# Altium PCB FIT_TDC_ADC.PcbDoc (part 2 of 10) (continued)
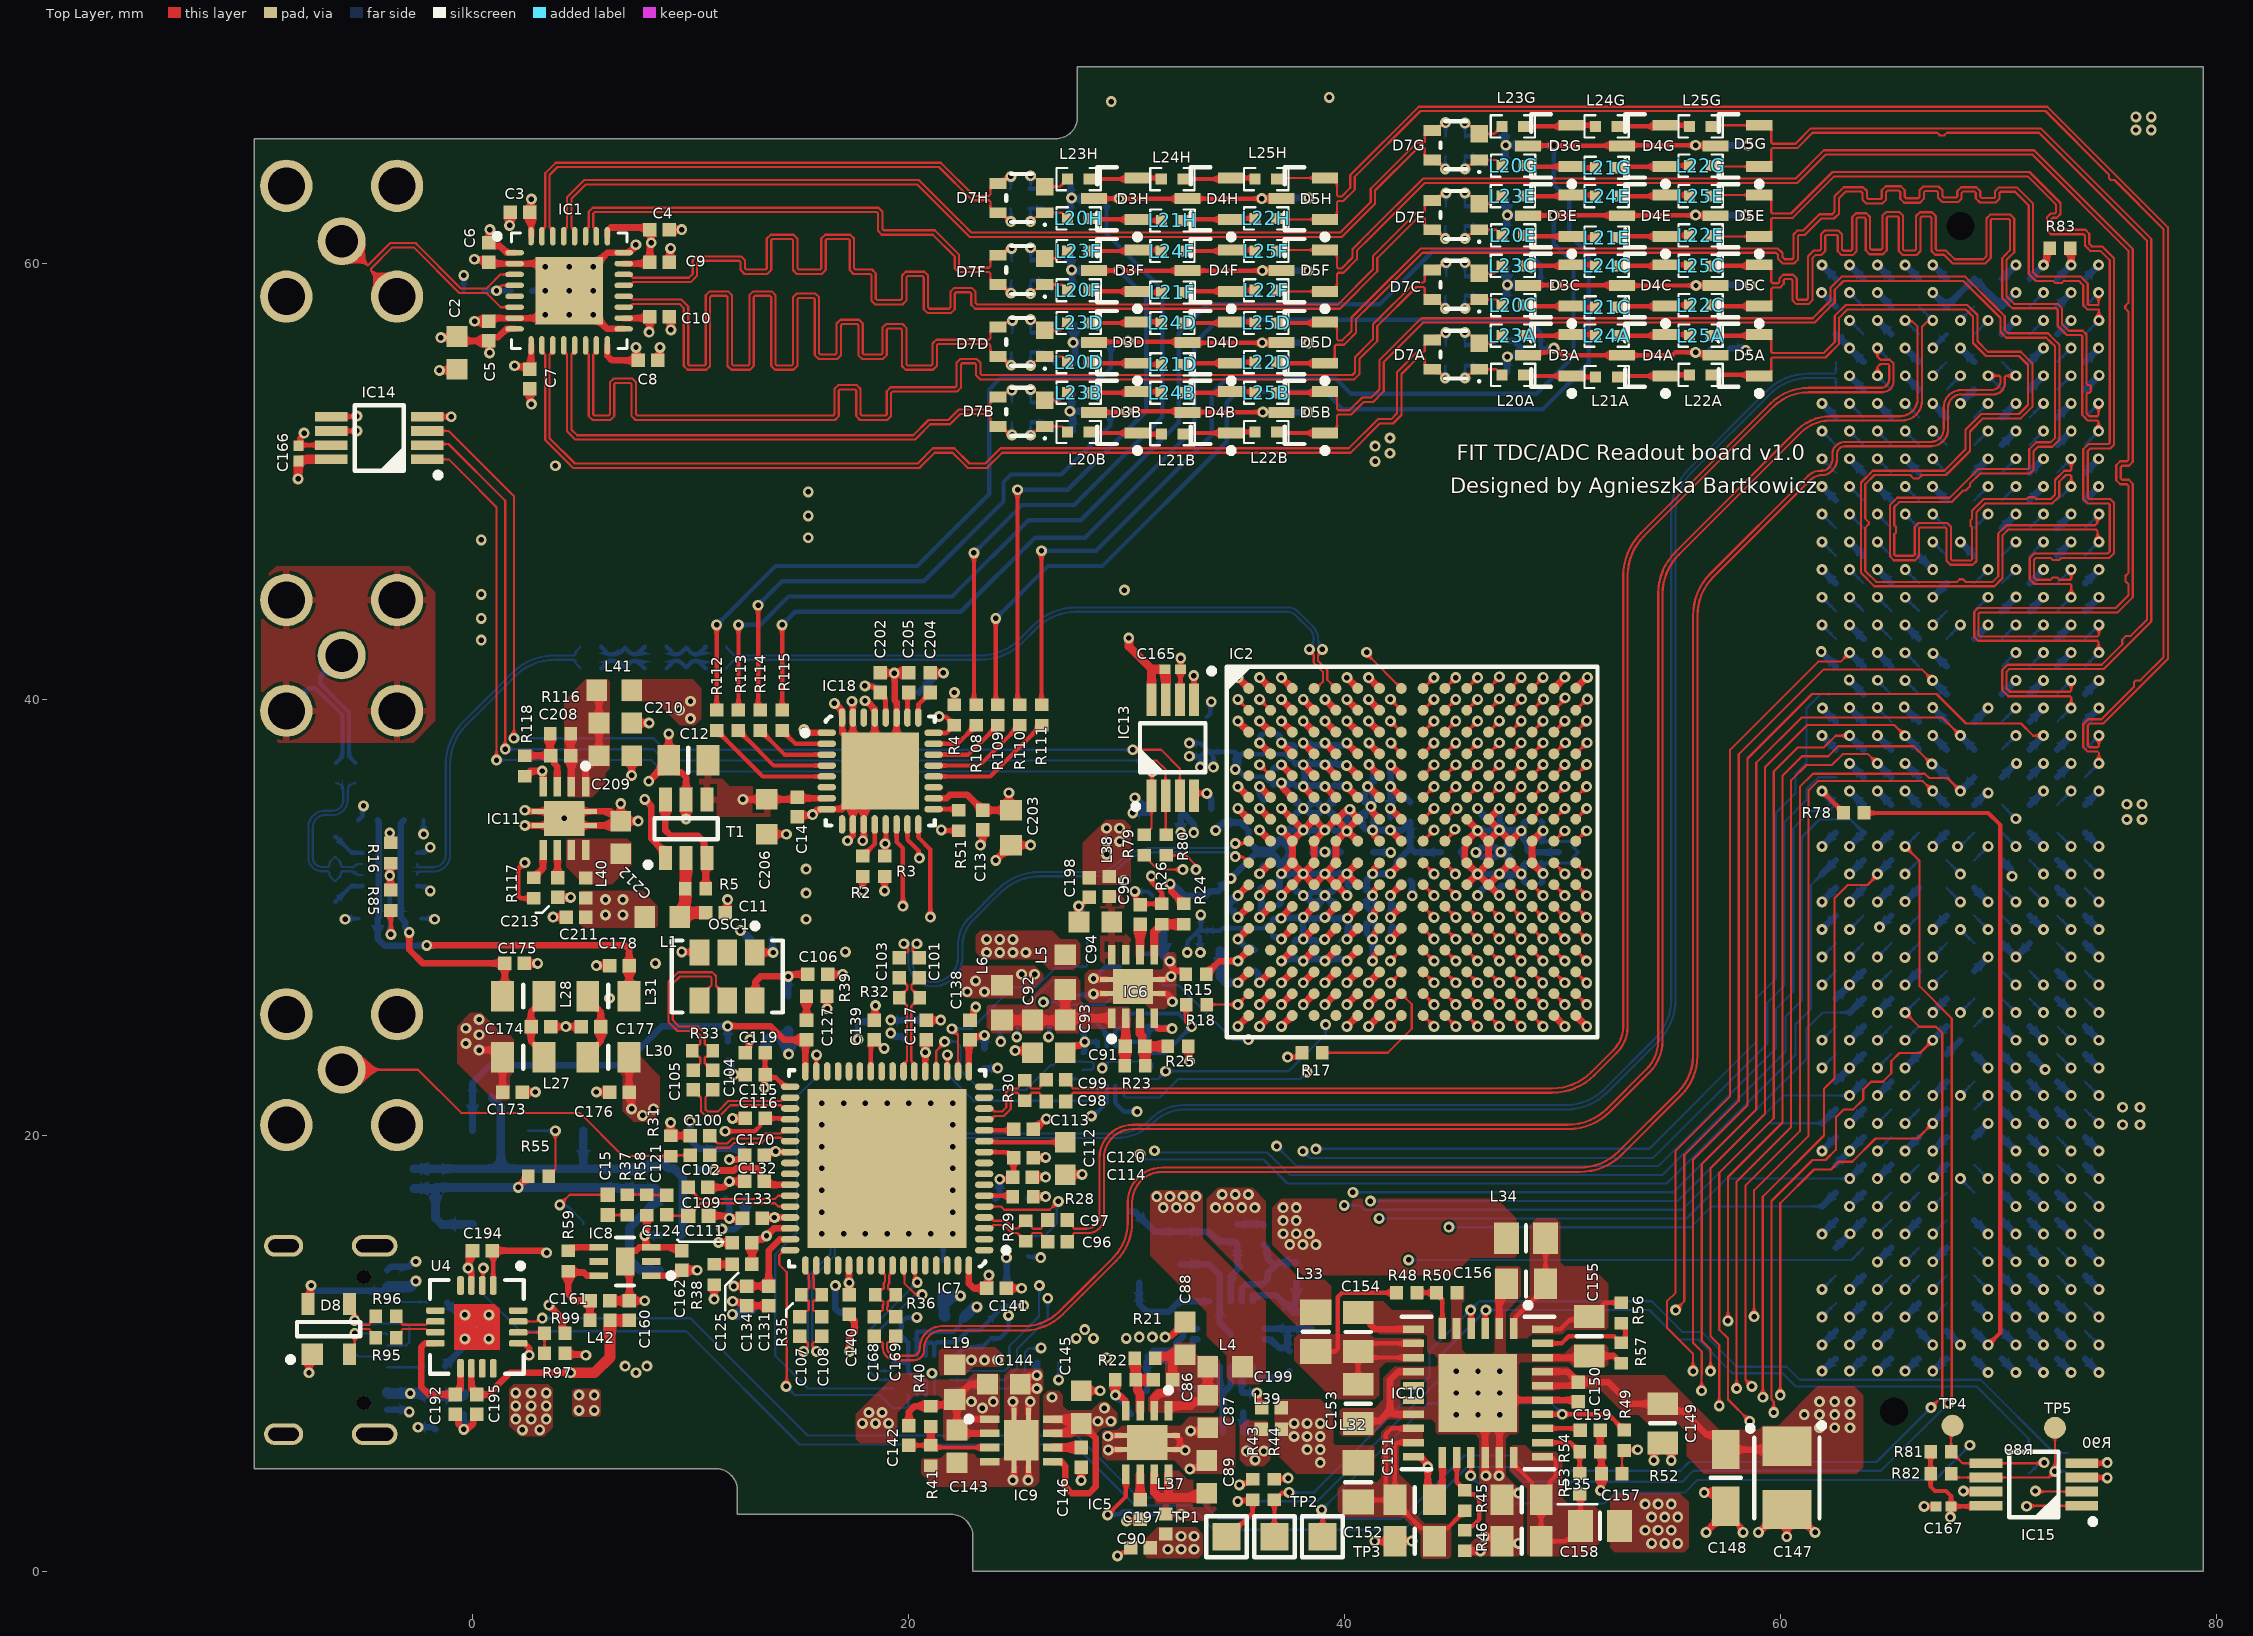
[diagram p0: Top Layer view]
## Footprints (in the part's own frame and the unit in brackets; to place one, negate y for a bottom-side part, rotate by r counter-clockwise, add the part's x,y. Pads: shape width x height; smd on the part's side, far side on the other; paste and mask are expansions set on the pad) (continued)
  rect 1.1x0.6 smd: 1(-1.35,0.95) 2(-1.35,0) 3(-1.35,-0.95) 4(1.35,-0.95) 5(1.35,0) 6(1.35,0.95)
  silkscreen extent -1.77,-1.45 0.48,1.87, body extent -1.4,-1.5 1.4,1.5, height 1.1
SOT135P210X100-4N [mm] "SOT343, 4-Leads, Body 2,00x2,10mm, Pitch 1,35mm, IPC Medium Density"
  rect 0.8x0.5 smd: 1(-1.075,0.675) 3(1.075,-0.675) 4(1.075,0.675)
  rect 0.8x0.8 smd: 2(-1.075,-0.525)
  silkscreen extent -1.12,-1.1 0.7,1.27, body extent -1.17,-1.1 1.17,1.1, height 1
SOT190P230X110-4N [mm] "SOT143, SOT, 1.90mm Pitch; 4 Pin, 1.30mm W X 2.90mm L X 1.10mm H body, IPC Medium Density"
  rect 1x1 smd: 1(-1.15,0.75)
  rect 1x0.6 smd: 2(-1.15,-0.95) 3(1.15,-0.95) 4(1.15,0.95)
  silkscreen extent -1.52,-1.45 0.33,1.87, body extent -1.25,-1.5 1.25,1.5, height 1.1
TEXAS_DRB(S-PVSON-N8) [mm] "TEXAS Case Style DRB(S-PVSON-N8), SON, 0.65mm pitch, 8 pin, 3mm X 3mm X 1.00mm H body (w/thermal tab 1.60 X 1.85mm)"
  rect 0.9x0.35 smd: 1(-1.45,0.975) 2(-1.45,0.325) 3(-1.45,-0.325) 4(-1.45,-0.975) 5(1.45,-0.975) 6(1.45,-0.325) 7(1.45,0.325) 8(1.45,0.975)
  rect 0.23x0.575 smd: 9(-0.325,-1.213) 9(-0.325,1.213) 9(0.325,-1.213) 9(0.325,1.213)
  rect 1.6x1.85 smd: 9(0,0)
  silkscreen extent -2.52,0.85 -2.28,1.1, body extent -1.5,-1.5 1.5,1.5, height 1
"TEXAS_DRC (S-PVSON-N10)" [mm] "SON, TEXAS DRC (S-PVSON-N10), 0.50mm Pitch, 10-pin, 3.00mm W  X 3.00mm L X 1.00mm Height, (w/thermal tab 1.65 X 2.40 mm)"
  rect 0.85x0.3 smd: 1(-1.5,1) 2(-1.5,0.5) 3(-1.5,0) 4(-1.5,-0.5) 5(-1.5,-1) 6(1.5,-1) 7(1.5,-0.5) 8(1.5,0) 9(1.5,0.5) 10(1.5,1)
  rect 0.28x0.7 smd: 11(-0.25,-1.55) 11(-0.25,1.55) 11(0.25,-1.55) 11(0.25,1.55)
  rect 1.65x2.4 smd: 11(0,0)
  silkscreen extent -2.52,0.88 -2.28,1.13, body extent -1.57,-1.57 1.58,1.58, height 1
TPS127 [mm] "1.27 x  1.27mm SMD Test Point Area"
  rect 1.27x1.27 smd paste-1.27: 1(0,0)
  silkscreen extent -0.94,-0.94 0.94,0.94

## Part data
C1: library part CC0402_10NF_16V_10%_X7R, "Non-polarised capacitor", Case=0402, Manufacturer=GENERIC, Manufacturer1 ComponentHeight=0.55mm, Manufacturer1 Example=PHYCOMP, Manufacturer1 Part Number=223878715636, Tolerance=±10%, Voltage=16V, Author="CERN DEM JLC", Component Type=Standard, CreateDate=03.12.2007, HelpURL=\\cern.ch\dfs\Applications\Altium\Datasheets\CC0402_X7R_PHYCOMP.pdf, LatestRevisionDate=03.12.2007, Manufacturer Part Number=CC0402_10NF_16V_10%_X7R, Mounted=Yes, Part Description="SMD Multilayer Chip Ceramic Capacitor", Part Number=CC0402_10NF_16V_10%_X7R, Pin Count=2, Sense=No, SMD=Yes, Socket=No, Status="Not Recommended", TC=X7R
C2 C22 C23 C24 C26 C27 C63 C64 C77 C78 C87 C88 C89 C92 C93 C94 C112 C118 C128 C137 C143 C144 C145 C200 C209 C210 C212: library part CC0603_10UF_16V_10%_X5R_MURATA_GRT188R61C106KE13, "Non-polarised capacitor", Case=0603, Manufacturer=MURATA, Manufacturer Part Number=GRT188R61C106KE13, Tolerance=±10%, Voltage=16V, Author="CERN DEM HF", Component Type=Standard, ComponentHeight=0.9mm, CreateDate=16.06.2022, HelpURL=\\cern.ch\dfs\Applications\Altium\Datasheets\CC0603_MURATA_GRT188R61C106KE13.pdf, LatestRevisionDate=17.06.2022, Mounted=Yes, Part Description="AEC-Q200 Compliant Chip Multilayer Ceramic Capacitor", Part Number=CC0603_10UF_16V_10%_X5R_MURATA_GRT188R61C106KE13, Pin Count=2, Sense=No, SMD=Yes, Socket=No, Status=None, TC=X5R
C3 C11 C28 C29 C60 C61 C62 C75 C76 C79 C117 C119 C129 C132 C133 C134 C138 C139 C140 C141 C159 C160 C161 C162 C170 C173 C174 C175 C176 C177 C178 C199 C211: library part CC0402_1UF_16V_10%_X5R, "Non-polarised capacitor", Case=0402, Manufacturer=GENERIC, Manufacturer1 ComponentHeight=0.55mm, Manufacturer1 Example=TDK, Manufacturer1 Part Number=C1005X5R1C105KT, Tolerance=±10%, Voltage=16V, Author="CERN DEM JLC", Component Type=Standard, CreateDate=25.10.2012, HelpURL=\\cern.ch\dfs\Applications\Altium\Datasheets\CC0402_X5R_TDK_C.pdf, LatestRevisionDate=25.10.2012, Manufacturer Part Number=CC0402_1UF_16V_10%_X5R, Mounted=Yes, Part Description="SMD Multilayer Chip Ceramic Capacitor", Part Number=CC0402_1UF_16V_10%_X5R, Pin Count=2, Sense=No, SMD=Yes, Socket=No, Status=Preferred, TC=X5R
C4 C5 C6 C7 C8 C9 C10 C13 C14 C18 C25 C86 C90 C91 C95 C96 C97 C98 C99 C100 C101 C102 C103 C104 C105 C106 C107 C108 C109 C113 C114 C115 C116 C121 C123 C126 C130 C142 C146 C168 C169 C171 C180 C181 C183 C184 C185 C186 C202 C204 C205 C208 C213: library part CC0402_100NF_16V_10%_X5R, "Non-polarised capacitor", Case=0402, Manufacturer=GENERIC, Manufacturer1 ComponentHeight=0.55mm, Manufacturer1 Example=MURATA, Manufacturer1 Part Number=GRM155R61C104KA88D, Tolerance=±10%, Voltage=16V, Author="CERN DEM JLC", Component Type=Standard, CreateDate=10.12.2013, HelpURL=\\cern.ch\dfs\Applications\Altium\Datasheets\CC0402_X5R_MURATA_GRM.pdf, LatestRevisionDate=10.12.2013, Manufacturer Part Number=CC0402_100NF_16V_10%_X5R, Mounted=Yes, Part Description="SMD Multilayer Chip Ceramic Capacitor", Part Number=CC0402_100NF_16V_10%_X5R, Pin Count=2, Sense=No, SMD=Yes, Socket=No, Status=None, TC=X5R
C12 C149 C151 C152 C153 C154 C155 C156 C157 C158: library part CC0805_22UF_16V_10%_X5R, "Non-polarised capacitor", Case=0805, Manufacturer=GENERIC, Manufacturer1 ComponentHeight=1.35mm, Manufacturer1 Example=TDK, Manufacturer1 Part Number=C2012X5R1C226KT, Tolerance=±10%, Voltage=16V, Author="CERN DEM JLC", Component Type=Standard, CreateDate=25.10.2012, HelpURL=\\cern.ch\dfs\Applications\Altium\Datasheets\CC0805_X5R_TDK_C.pdf, LatestRevisionDate=25.10.2012, Manufacturer Part Number=CC0805_22UF_16V_10%_X5R, Mounted=Yes, Part Description="SMD Multilayer Chip Ceramic Capacitor", Part Number=CC0805_22UF_16V_10%_X5R, Pin Count=2, Sense=No, SMD=Yes, Socket=No, Status=Preferred, TC=X5R
C15: library part CC0402_33PF_50V_1%_NP0_JOHANSON_R07S, "Non-polarised capacitor", Case=0402, Manufacturer="JOHANSON TECHNOLOGY", Manufacturer Part Number=500R07S330FV4T, Tolerance=±1%, Voltage=50V, Author="CERN DEM BC", Component Type=Standard, ComponentHeight=0.61mm, CreateDate=20.11.2017, HelpURL=\\cern.ch\dfs\Applications\Altium\Datasheets\CC0402_NP0_JOHANSON_R07S.pdf, LatestRevisionDate=26.09.2018, Mounted=Yes, Part Description="Ultra High-Q SMD Multilayer Capacitor", Part Number=CC0402_33PF_50V_1%_NP0_JOHANSON_R07S, Pin Count=2, Sense=No, SMD=Yes, Socket=No, Status="Not Recommended", TC=C0G/NP0
C16 C17 C179: library part CC0402_10PF_50V_5%_C0G, "Non-polarised capacitor", Case=0402, Manufacturer=GENERIC, Manufacturer1 ComponentHeight=0.55mm, Manufacturer1 Example=KEMET, Manufacturer1 Part Number=C0402C100J5GACTU, Tolerance=±5%, Voltage=50V, Author="CERN DEM JLC", Component Type=Standard, CreateDate=03.12.2007, HelpURL="\\cern.ch\dfs\Applications\Altium\Datasheets\CC0402_C0G_KEMET_(Commercial Grade).pdf", LatestRevisionDate=22.04.2015, Manufacturer Part Number=CC0402_10PF_50V_5%_C0G, Mounted=Yes, Part Description="SMD Multilayer Chip Ceramic Capacitor", Part Number=CC0402_10PF_50V_5%_C0G, Pin Count=2, Sense=No, SMD=Yes, Socket=No, Status=Preferred, TC=C0G/NP0
C19 C120 C131 C172 C182 C187 C188A C188B C188C C188D C188E C188F C188G C188H C189A C189B C189C C189D C189E C189F C189G C189H: library part CC0402_10NF_50V_10%_X7R, "Non-polarised capacitor", Case=0402, Manufacturer=GENERIC, Manufacturer1 ComponentHeight=0.55mm, Manufacturer1 Example=MURATA, Manufacturer1 Part Number=GRM155R71H103KA88D, Tolerance=±10%, Voltage=50V, Author="CERN DEM MR", Component Type=Standard, CreateDate=08.01.2016, HelpURL=\\cern.ch\dfs\Applications\Altium\Datasheets\CC0402_X7R_MURATA_GRM.pdf, LatestRevisionDate=08.01.2016, Manufacturer Part Number=CC0402_10NF_50V_10%_X7R, Mounted=Yes, Part Description="SMD Multilayer Chip Ceramic Capacitor", Part Number=CC0402_10NF_50V_10%_X7R, Pin Count=2, Sense=No, SMD=Yes, Socket=No, Status=None, TC=X7R
C20 C30 C31 C32 C33 C34 C35 C36 C37 C38 C39 C40 C41 C42 C43 C44 C45 C46 C47 C48 C49 C50 C51 C52 C53 C54 C55 C56 C57 C58 C59 C65 C66 C67 C68 C69 C70 C71 C72 C73 C74 C80 C81 C82 C83 C84 C85: library part CC0201_100NF_6.3V_10%_X7R, "Non-polarised capacitor", Case=0201, Manufacturer=GENERIC, Manufacturer1 ComponentHeight=0.33mm, Manufacturer1 Example="YAGEO PHYCOMP", Manufacturer1 Part Number=CC0201KRX7R5BB104, Tolerance=±10%, Voltage=6.3V, Author="CERN DEM BC", Component Type=Standard, CreateDate=20.11.2020, HelpURL=\\cern.ch\dfs\Applications\Altium\Datasheets\CC0201_X7R_YAGEO_6.3VTO50V.pdf, LatestRevisionDate=20.11.2020, Manufacturer Part Number=CC0201_100NF_6.3V_10%_X7R, Mounted=Yes, Part Description="SMD Multilayer Chip Ceramic Capacitor", Part Number=CC0201_100NF_6.3V_10%_X7R, Pin Count=2, Sense=No, SMD=Yes, Socket=No, Status="Not Recommended", TC=X7R
C21 C125: library part CC0402_3.9NF_50V_5%_X7R, "Non-polarised capacitor", Case=0402, Manufacturer=GENERIC, Manufacturer1 ComponentHeight=0.55mm, Manufacturer1 Example="YAGEO PHYCOMP", Manufacturer1 Part Number=CC0402JRX7R9BB392, Tolerance=±5%, Voltage=50V, Author="CERN DEM BC", Component Type=Standard, CreateDate=14.07.2020, HelpURL=\\cern.ch\dfs\Applications\Altium\Datasheets\CC0402_X7R_YAGEO_6.3VTO50V.pdf, LatestRevisionDate=14.07.2020, Manufacturer Part Number=CC0402_3.9NF_50V_5%_X7R, Mounted=Yes, Part Description="SMD Multilayer Chip Ceramic Capacitor", Part Number=CC0402_3.9NF_50V_5%_X7R, Pin Count=2, Sense=No, SMD=Yes, Socket=No, Status=Preferred, TC=X7R
C110 C122: library part CC0402_100PF_25V_1%_C0G, "Non-polarised capacitor", Case=0402, Manufacturer=GENERIC, Manufacturer1 ComponentHeight=0.55mm, Manufacturer1 Example=KEMET, Manufacturer1 Part Number=CBR04C101F3GAC, Tolerance=±1%, Voltage=25V, Author="CERN DEM HF", Component Type=Standard, CreateDate=20.10.2022, HelpURL=\\cern.ch\dfs\Applications\Altium\Datasheets\CC0402_C0G_KEMET_HiQ-CBR.pdf, LatestRevisionDate=20.10.2022, Manufacturer Part Number=CC0402_100PF_25V_1%_C0G, Mounted=Yes, Part Description="SMD Multilayer Chip Ceramic Capacitor", Part Number=CC0402_100PF_25V_1%_C0G, Pin Count=2, Sense=No, SMD=Yes, Socket=No, Status="Not Recommended", TC=C0G/NP0
C111: library part CC0402_12PF_50V_1%_NP0_JOHANSON_R07S, "Non-polarised capacitor", Case=0402, Manufacturer="JOHANSON TECHNOLOGY", Manufacturer Part Number=500R07S120FV4T, Tolerance=±1%, Voltage=50V, Author="CERN DEM BC", Component Type=Standard, ComponentHeight=0.61mm, CreateDate=20.11.2017, HelpURL=\\cern.ch\dfs\Applications\Altium\Datasheets\CC0402_NP0_JOHANSON_R07S.pdf, LatestRevisionDate=26.09.2018, Mounted=Yes, Part Description="Ultra High-Q SMD Multilayer Capacitor", Part Number=CC0402_12PF_50V_1%_NP0_JOHANSON_R07S, Pin Count=2, Sense=No, SMD=Yes, Socket=No, Status="Not Recommended", TC=C0G/NP0
C124: library part CC0402_47PF_50V_1%_C0G_MURATA_GJM1555C1H470FB01D, "Non-polarised capacitor", Case=0402, Manufacturer=MURATA, Manufacturer Part Number=GJM1555C1H470FB01, Tolerance=±1%, Voltage=50V, Author="CERN DEM BC", Component Type=Standard, ComponentHeight=0.55mm, CreateDate=20.11.2017, HelpURL=\\cern.ch\dfs\Applications\Altium\Datasheets\CC0402_MURATA_GJM1555C1H470FB01D.pdf, LatestRevisionDate=20.11.2017, Mounted=Yes, Part Description="High-Q SMD Chip Monolithic Ceramic Capacitor", Part Number=CC0402_47PF_50V_1%_C0G_MURATA_GJM1555C1H470FB01D, Pin Count=2, Sense=No, SMD=Yes, Socket=No, Status=None, TC=C0G/NP0
C127: library part CC0402_680NF_10V_10%_X5R, "Non-polarised capacitor", Case=0402, Manufacturer=GENERIC, Manufacturer1 ComponentHeight=0.55mm, Manufacturer1 Example=MURATA, Manufacturer1 Part Number=GRM155R61A684KE15, Tolerance=±10%, Voltage=10V, Author="CERN DEM BC", Component Type=Standard, CreateDate=19.04.2021, HelpURL=\\cern.ch\dfs\Applications\Altium\Datasheets\CC0402_X5R_MURATA_GRM.pdf, LatestRevisionDate=19.04.2021, Manufacturer Part Number=CC0402_680NF_10V_10%_X5R, Mounted=Yes, Part Description="SMD Multilayer Chip Ceramic Capacitor", Part Number=CC0402_680NF_10V_10%_X5R, Pin Count=2, Sense=No, SMD=Yes, Socket=No, Status=None, TC=X5R
C135: library part CC0402_2.2NF_50V_10%_X7R, "Non-polarised capacitor", Case=0402, Manufacturer=GENERIC, Manufacturer1 ComponentHeight=0.55mm, Manufacturer1 Example=PHYCOMP, Manufacturer1 Part Number=223858715627, Tolerance=±10%, Voltage=50V, Author="CERN DEM JLC", Component Type=Standard, CreateDate=03.12.2007, HelpURL=\\cern.ch\dfs\Applications\Altium\Datasheets\CC0402_X7R_PHYCOMP.pdf, LatestRevisionDate=03.12.2007, Manufacturer Part Number=CC0402_2.2NF_50V_10%_X7R, Mounted=Yes, Part Description="SMD Multilayer Chip Ceramic Capacitor", Part Number=CC0402_2.2NF_50V_10%_X7R, Pin Count=2, Sense=No, SMD=Yes, Socket=No, Status="Not Recommended", TC=X7R
C136: library part CC0402_82PF_25V_1%_C0G_KEMET_HiQ-CBR, "Non-polarised capacitor", Case=0402, Manufacturer=KEMET, Manufacturer Part Number=CBR04C820F3GAC, Tolerance=±1%, Voltage=25V, Author="CERN DEM MR", Component Type=Standard, ComponentHeight=0.55mm, CreateDate=17.11.2017, HelpURL=\\cern.ch\dfs\Applications\Altium\Datasheets\CC0402_C0G_KEMET_HiQ-CBR.pdf, LatestRevisionDate=21.11.2017, Mounted=Yes, Part Description="High Q and low ESR, SMD Multilayer Chip Ceramic Capacitor, HiQ-CBR Series", Part Number=CC0402_82PF_25V_1%_C0G_KEMET_HiQ-CBR, Pin Count=2, Sense=No, SMD=Yes, Socket=No, Status="Not Recommended", TC=C0G/NP0
C147: library part CTE3528-21_33UF_16V_10%, "Polarised capacitor", Case=B, Manufacturer=GENERIC, Manufacturer1 ComponentHeight=2.1mm, Manufacturer1 Example=AVX, Manufacturer1 Part Number=TAJB336K016R, Tolerance=±10%, Voltage=16V, Author="CERN DEM JLC", Component Type=Standard, CreateDate=03.12.2007, HelpURL=\\cern.ch\dfs\Applications\Altium\Datasheets\CTE_AVX_TAJ.pdf, LatestRevisionDate=03.12.2007, Manufacturer Part Number=CTE3528-21_33UF_16V_10%, Mounted=Yes, Part Description="Solid Tantalum Chip Capacitor", Part Number=CTE3528-21_33UF_16V_10%, Pin Count=2, Sense=No, SMD=Yes, Socket=No, Status=Preferred
C148: library part CTE3216-18_10UF_16V_20%_AVX_TCJ, "Polarised capacitor", Case=A, Manufacturer=AVX, Manufacturer Part Number=TCJA106M016R0200, Tolerance=±20%, Voltage=16V, Author="CERN DEM JLC", Component Type=Standard, ComponentHeight=1.8mm, CreateDate=29.03.2012, HelpURL=\\cern.ch\dfs\Applications\Altium\Datasheets\CTE_AVX_TCJ.pdf, LatestRevisionDate=29.03.2012, Mounted=Yes, Part Description="ESR 0R200 Tantalum Solid Electrolytic Chip Capacitor with Conductive Polymer Electrode", Part Number=CTE3216-18_10UF_16V_20%_AVX_TCJ, Pin Count=2, Sense=No, SMD=Yes, Socket=No, Status=Preferred
C150 C193: library part CC0402_100NF_16V_10%_X7R, "Non-polarised capacitor", Case=0402, Manufacturer=GENERIC, Manufacturer1 ComponentHeight=0.55mm, Manufacturer1 Example=MURATA, Manufacturer1 Part Number=GRM155R71C104KA88D, Tolerance=±10%, Voltage=16V, Author="CERN DEM JLC", Component Type=Standard, CreateDate=05/12/2013, HelpURL=\\cern.ch\dfs\Applications\Altium\Datasheets\CC0402_X7R_MURATA_GRM.pdf, LatestRevisionDate=03/12/2007, Manufacturer Part Number=CC0402_100NF_16V_10%_X7R, Mounted=Yes, Part Description="SMD Multilayer Chip Ceramic Capacitor", Part Number=CC0402_100NF_16V_10%_X7R, Pin Count=2, Sense=No, SMD=Yes, Socket=No, Status="Not Recommended", TC=X7R
C165 C166 C167: library part CC0201_100NF_6.3V_10%_X5R, "Non-polarised capacitor", Case=0201, Manufacturer=GENERIC, Manufacturer1 ComponentHeight=0.33mm, Manufacturer1 Example=AVX, Manufacturer1 Part Number=02016D104KAT2A, Tolerance=±10%, Voltage=6.3V, Author="CERN DEM JLC", Component Type=Standard, CreateDate=2007-12-03, HelpURL=\\cern.ch\dfs\Applications\Altium\Datasheets\CC0201_X5R_AVX.pdf, LatestRevisionDate=2007-12-03, Manufacturer Part Number=CC0201_100NF_6.3V_10%_X5R, Mounted=Yes, Part Description="SMD Multilayer Chip Ceramic Capacitor", Part Number=CC0201_100NF_6.3V_10%_X5R, Pin Count=2, SMD=Yes, Socket=No, Status="Not Recommended", Table="Capacitors SMD", TC=X5R
C190A C190B C190C C190D C190E C190F C190G C190H C191A C191B C191C C191D C191E C191F C191G C191H: library part CC0402_1NF_50V_10%_X7R, "Non-polarised capacitor", Case=0402, Manufacturer=GENERIC, Manufacturer1 ComponentHeight=0.55mm, Manufacturer1 Example=PHYCOMP, Manufacturer1 Part Number=223858715623, Tolerance=±10%, Voltage=50V, Author="CERN DEM JLC", Component Type=Standard, CreateDate=03.12.2007, HelpURL=\\cern.ch\dfs\Applications\Altium\Datasheets\CC0402_X7R_PHYCOMP.pdf, LatestRevisionDate=03.12.2007, Manufacturer Part Number=CC0402_1NF_50V_10%_X7R, Mounted=Yes, Part Description="SMD Multilayer Chip Ceramic Capacitor", Part Number=CC0402_1NF_50V_10%_X7R, Pin Count=2, Sense=No, SMD=Yes, Socket=No, Status="Not Recommended", TC=X7R
C192 C194 C195: library part CC0402_100NF_50V_10%_X7R, "Non-polarised capacitor", Case=0402, Manufacturer=GENERIC, Manufacturer1 ComponentHeight=0.55mm, Manufacturer1 Example=MURATA, Manufacturer1 Part Number=GRM155R71H104KE14D, Tolerance=±10%, Voltage=50V, Author="CERN DEM MR", Component Type=Standard, CreateDate=30.06.2017, HelpURL=\\cern.ch\dfs\Applications\Altium\Datasheets\CC0402_MURATA_GRM155R71H104KE14D.pdf, LatestRevisionDate=30.06.2017, Manufacturer Part Number=CC0402_100NF_50V_10%_X7R, Mounted=Yes, Part Description="SMD Multilayer Chip Ceramic Capacitor", Part Number=CC0402_100NF_50V_10%_X7R, Pin Count=2, Sense=No, SMD=Yes, Socket=No, Status=None, TC=X7R
C196 C197 C198: library part CC0402_1UF_25V_10%_X5R, "Non-polarised capacitor", Case=0402, Manufacturer=GENERIC, Manufacturer1 ComponentHeight=0.55mm, Manufacturer1 Example=TDK, Manufacturer1 Part Number=C1005X5R1E105K050, Tolerance=±10%, Voltage=25V, Author="CERN DEM BC", Component Type=Standard, CreateDate=17.02.2020, HelpURL=\\cern.ch\dfs\Applications\Altium\Datasheets\CC0402_X5R_TDK_C.pdf, LatestRevisionDate=17.02.2020, Manufacturer Part Number=CC0402_1UF_25V_10%_X5R, Mounted=Yes, Part Description="SMD Multilayer Chip Ceramic Capacitor", Part Number=CC0402_1UF_25V_10%_X5R, Pin Count=2, Sense=No, SMD=Yes, Socket=No, Status=Preferred, TC=X5R
C201 C203 C206: library part CC0603_1UF_25V_10%_X7R, "Non-polarised capacitor", Case=0603, Manufacturer=GENERIC, Manufacturer1 ComponentHeight=0.9mm, Manufacturer1 Example=MURATA, Manufacturer1 Part Number=GRM188R71E105KA12D, Tolerance=±10%, Voltage=25V, Author="CERN DEM JLC", Component Type=Standard, CreateDate=18.01.2011, HelpURL=\\cern.ch\dfs\Applications\Altium\Datasheets\CC0603_X7R_MURATA.pdf, LatestRevisionDate=18.01.2011, Manufacturer Part Number=CC0603_1UF_25V_10%_X7R, Mounted=Yes, Part Description="SMD Multilayer Chip Ceramic Capacitor", Part Number=CC0603_1UF_25V_10%_X7R, Pin Count=2, Sense=No, SMD=Yes, Socket=No, Status=None, TC=X7R
D3A D3B D3C D3D D3E D3F D3G D3H D4A D4B D4C D4D D4E D4F D4G D4H D5A D5B D5C D5D D5E D5F D5G D5H: library part DIODE_SMV1213, "Hyperabrupt Junction Tuning Varactors , double, common cathode"
D6: "Schottky Diode", Case=SOD-123FL, Manufacturer="ON SEMICONDUCTOR", Manufacturer Part Number=MBR140SF, Power=1A, Voltage=40V, Author="CERN DEM JLC", Bonding=No, Component Type=Standard, ComponentHeight=1.0mm, CreateDate=06.04.2009, Device=MBR140SFT1G, HelpURL=\\cern.ch\dfs\Applications\Altium\Datasheets\MBR140SFT1G.pdf, LatestRevisionDate=24.05.2022, Mounted=Yes, PackageDescription="Small Outline Diode Flat Lead (SOD-123FL), Body; 2.70mm L X 1.65mm W X 1.0mm H", Part Description="Schottky Power Rectifier", Part Number=MBR140SFT1G, Pin Count=2, PressFit=No, Sense=No, SMD=Yes, Socket=No
D7A D7B D7C D7D D7E D7F D7G D7H: library part DIODE_BAS70-07W, "General-purpose diode for high-speed switching"
D8: "Ultra Low Capacitance Double Rail-to-Rail ESD Protection Diode", Case=SOT143B, Manufacturer="NXP SEMICONDUCTORS", Voltage=5.5V, Author="CERN DEM JLC", Bonding=No, Component Type=Standard, ComponentHeight=1.1mm, CreateDate=22.03.2011, Device=PRTR5V0U2X, HelpURL=\\cern.ch\dfs\Applications\Altium\Datasheets\PRTR5V0U2X.pdf, LatestRevisionDate=22.03.2011, Manufacturer Part Number=PRTR5V0U2X, Mounted=Yes, PackageDescription="SOT143B, SOT, 1.90mm Pitch; 4 Pin, 1.30mm W X 2.90mm L X 1.10mm H body, IPC Medium Density", Part Description="Ultra Low Capacitance (1pF) Double Rail-to-Rail ESD Protection Diode (8kV)", Part Number=PRTR5V0U2X, Pin Count=4, PressFit=No, Sense=No, SMD=Yes, Socket=No
IC1: library part SY58033U, "ULTRA-PRECISION 1:8 BUFFER WITH 400mV LVPECL OUTPUTS AND INTERNAL TERMINATION"
IC2: "Single-Supply, Multichannel, 125kSPS, 24-Bit, Sigma-Delta ADC with ±10V Inputs", Case=BGA256, Manufacturer="TEXAS INSTRUMENTS", Author="CERN DEM HF", Bonding=No, Component Type=Standard, ComponentHeight=3.31mm, CreateDate=04.12.2024, Device=ADC12DL2500ACF, HelpURL=\\cern.ch\dfs\Applications\Altium\Datasheets\ADC12DLX500ACF.pdf, LatestRevisionDate=04.12.2024, Manufacturer Part Number=ADC12DL2500ACF, Mounted=Yes, PackageDescription="BGA, 1.00mm Pitch, Square; 156 Pin, 16 Columns X 16 Rows, 17.0mm X 17.0mm X 3.31mm H body, IPC Medium Density", Part Description="1.5 GSPS Dual-Channel or 1, 3, 5GSPS Single-Channel,12-Bit Analog-to-Digital Converters (ADC) With LVDS Interface", Part Number=ADC12DL2500ACF, Pin Count=256, PressFit=No, Sense=No, SMD=Yes, Socket=No
IC3: "Low-Noise, Low-Power, 8-GHz Fully Differential Amplifier", Case=QFN14, Manufacturer="TEXAS INSTRUMENTS", Author="CERN DEM MR", Bonding=No, Component Type=Standard, ComponentHeight=0.6mm, CreateDate=08.08.2019, Device=LMH5401IRMS, HelpURL=\\cern.ch\dfs\Applications\Altium\Datasheets\LMH5401IRMS.pdf, LatestRevisionDate=08.08.2019, Manufacturer Part Number=LMH5401IRMS, Mounted=Yes, PackageDescription="QFN, 0.50mm Pitch, Square, 14 pin, 2.50mm L X 2.50mm W X 0.60mm H body, IPC Medium Density", Part Description="Low-Noise, Low-Power, 8-GHz Fully Differential Amplifier", Part Number=LMH5401IRMS, Pin Count=14, PressFit=No, Sense=No, SMD=Yes, Socket=No
IC4: "DC-DC Inverter", Case=SON10, Manufacturer="TEXAS INSTRUMENTS", Author="CERN DEM BC", Bonding=No, Component Type=Standard, ComponentHeight=1mm, CreateDate=18.05.2020, Device=TPS63700DRC, HelpURL=\\cern.ch\dfs\Applications\Altium\Datasheets\TPS63700DRC.pdf, LatestRevisionDate=18.05.2020, Manufacturer Part Number=TPS63700DRC, Mounted=Yes, PackageDescription="TEXAS Case Style DRC (S-PVSON-N10), SON, 0.50mm Pitch; 10 Pin, 3.00mm W  X 3.00mm L X 1.00mm H body, (w/Thermal Tab 1.75 X 2.50 mm)", Part Description="DC-DC Inverter", Part Number=TPS63700DRC, Pin Count=11, PressFit=No, Sense=No, SMD=Yes, Socket=No
IC5 IC6 IC9 IC11: "0.8V to 6V, 1A, Low-Noise, Wide-Bandwidth, High PSRR, Low-Dropout Linear Regulator", Case=SON8, Manufacturer="TEXAS INSTRUMENTS", Author="CERN DEM BC", Bonding=No, Component Type=Standard, ComponentHeight=1mm, CreateDate=18.02.2019, Device=TPS7A8101DRB, HelpURL=\\cern.ch\dfs\Applications\Altium\Datasheets\TPS7A8101DRB.pdf, LatestRevisionDate=18.02.2019, Manufacturer Part Number=TPS7A8101DRB, Mounted=Yes, PackageDescription="TEXAS Case Style DRB (S-PVSON-N8), SON, 0.65mm Pitch; 8 Pin, 3.00mm W X 3.00mm L X 1.00mm H body (w/Thermal Tab 1.60 X 1.85mm)", Part Description="0.8V to 6V, 1A, Low-Noise, Wide-Bandwidth, High PSRR, Low-Dropout Linear Regulator", Part Number=TPS7A8101DRB, Pin Count=9, PressFit=No, Sense=No, SMD=Yes, Socket=No
IC7: "Ultra Low-Noise Clock Jitter Cleaner with Dual Loop PLLs", Case=QFN64, Manufacturer="TEXAS INSTRUMENTS", Manufacturer Part Number=LMK04828BISQ, Author="CERN DEM MR", Bonding=No, Component Type=Standard, ComponentHeight=0.8mm, CreateDate=08.08.2019, Device=LMK04828BISQ/NOPB, HelpURL=\\cern.ch\dfs\Applications\Altium\Datasheets\LMK04828BISQ-NOPB.pdf, LatestRevisionDate=01.06.2022, Mounted=Yes, PackageDescription="QFN, 0.50mm Pitch, Square; 64 Pin, 9.00mm L X 9.00mm W X 0.80mm H body (w/Thermal Tab 7.30 X 7.30mm), IPC Medium Density", Part Description="Ultra Low-Noise Clock Jitter Cleaner with Dual Loop PLLs", Part Number=LMK04828BISQ/NOPB, Pin Count=65, PressFit=No, Sense=No, SMD=Yes, Socket=No
IC8: "Ultra Low Noise, 150 mA Linear Regulator for RF/Analog Circuits Requires No Bypass Capacitor", Case=SON6, Manufacturer="TEXAS INSTRUMENTS", Author="CERN DEM JLC", Bonding=No, Component Type=Standard, ComponentHeight=0.8mm, CreateDate=26.09.2011, Device=LP5900SD-3.3, HelpURL=\\cern.ch\dfs\Applications\Altium\Datasheets\LP5900SD.pdf, LatestRevisionDate=29.01.2021, Manufacturer Part Number=LP5900SD-3.3, Mounted=Yes, PackageDescription="SON, 0.65mm Pitch; 6 Pin, 2.50mm W X 2.20mm L X 0.80mm H body (w/Thermal Tab 0.75 X 1.20mm),  IPC Medium Density", Part Description="3.3V,150mA Ultra Low Noise, Linear Regulator for RF/Analog Circuits Requires No Bypass Capacitor", Part Number=LP5900SD-3.3, Pin Count=7, PressFit=No, Sense=No, SMD=Yes, Socket=No
IC10: library part MPM54304GMN-XXXX, "Quad-Output Power Module with I2C and MTP", Case=QFN32, Manufacturer="MPS (MONOLITIC  POWER SYSTEMS)", Manufacturer Part Number=MPM54304GMN-002, Author="CERN DEM BC", Bonding=No, Component Type=Standard, ComponentHeight=2.1mm, CreateDate=09.11.2020, Device=MPM54304GMN-0001, HelpURL=\\cern.ch\dfs\Applications\Altium\Datasheets\MPM54304GMN.pdf, LatestRevisionDate=23.11.2022, Mounted=Yes, PackageDescription="MPS LGA-33 Case, 0.65mm Pitch, Rect.; 32 Pin, 7.00mm L X 7.00mm W X 2.10mm H body (w/Thermal Tab 3.55 X 3.55mm)", Part Description="4V to 16V Input, Quad-Output Power Module with I2C and MTP", Part Number=MPM54304GMN-0001, Pin Count=33, PressFit=No, Sense=No, SMD=Yes, Socket=No
IC13 IC14: "Digital Temperature Sensor and Thermal Watchdog with Two-Wire Interface", Case=SSOP8, Manufacturer="TEXAS INSTRUMENTS", Author="CERN DEM JLC", Component Type=Standard, ComponentHeight=1.09mm, CreateDate=2012-10-15, Device=LM75AIMM/NOPB, HelpURL=\\cern.ch\dfs\Applications\Altium\Datasheets\LM75AIMM-NOPB.pdf, LatestRevisionDate=2012-10-15, Manufacturer Part Number=LM75AIMM/NOPB, Mounted=Yes, PackageDescription="SOP, 0.65mm pitch; 8 pin,3.00mm W X 3.00mm L X 1.09mm H bodyI, PC Medium Density", Part Description="-25° to +100°C ±2°C Digital Temperature Sensor and Thermal Watchdog with Two-Wire Interface", Part Number=LM75AIMM/NOPB, Pin Count=8, SMD=Yes, Socket=No, Table=Sensors
IC15: "1.7V-5.5V, 64K  (8K x 8-bit) I2C Serial EEPROM", Case=MSOP8, Manufacturer="MICROCHIP TECHNOLOGY", Author="CERN DEM JMW", Bonding=No, Component Type=Standard, ComponentHeight=1.1mm, CreateDate=21.02.2014, Device=24AA64T-I/MS, HelpURL=\\cern.ch\dfs\Applications\Altium\Datasheets\24AA64T-I-MS.pdf, LatestRevisionDate=21.02.2014, Manufacturer Part Number=24AA64T-I/MS, Mounted=Yes, PackageDescription="SOP, 0.65mm pitch; 8 pin, 3.00mm W X 3.00mm L X 1.10mm H body, IPC Medium Density", Part Description="1.7V-5.5V, 64K  (8K x 8-bit) I2C Serial EEPROM", Part Number=24AA64T-I/MS, Pin Count=8, PressFit=No, Sense=No, SMD=Yes, Socket=No
IC16 IC17: "4-Bit Dual-Supply Bus Transceiver with Configurable Voltage Translation and 3-State Output", Case=QFN16, Manufacturer="TEXAS INSTRUMENTS", Author="CERN DEM JLC", Bonding=No, Component Type=Standard, ComponentHeight=0.55mm, CreateDate=08.07.2014, Device=SN74AVC4T245RSVR, HelpURL=\\cern.ch\dfs\Applications\Altium\Datasheets\SN74AVC4T245RSVR.pdf, LatestRevisionDate=30.03.2017, Manufacturer Part Number=SN74AVC4T245RSVR, Mounted=Yes, PackageDescription="QFN, 0.40mm Pitch, Rect.; 16 Pin, 2.60mm L X 1.80mm W X 0.55mm H Body, IPC Medium Density", Part Description="4-Bit Dual-Supply Bus Transceiver with Configurable Voltage Translation and 3-State Outputs", Part Number=SN74AVC4T245RSVR, Pin Count=16, PressFit=No, Sense=No, SMD=Yes, Socket=No, Status="Not Recommended"
IC18: library part LTC2666CUH-16#PBF, "Octal 16-Bit, ±10V Vout, SoftSpan DAC with 10ppm/°C Max Reference", Case=QFN32, Manufacturer="LINEAR TECHNOLOGY", Author="CERN DEM JLC", Bonding=No, Component Type=Standard, ComponentHeight=0.8mm, CreateDate=22.11.2018, Device=LTC2666CUH-16, HelpURL=\\cern.ch\dfs\Applications\Altium\Datasheets\LTC2666CUH-16#PBF.pdf, LatestRevisionDate=02.02.2022, Manufacturer Part Number=LTC2666CUH-16, Mounted=Yes, PackageDescription="QFN, (MO-220-WHHD-X) 0.50mm Pitch, Square; 32 Pin, 5.00mm L X 5.00mm W X 0.80mm H body (w/Thermal Tab 3.55 X 3.55mm), IPC Medium Density", Part Description="Octal 16-Bit, ±10V Vout, SoftSpan DAC with 10ppm/°C Max Reference", Part Number=LTC2666CUH-16#PBF, Pin Count=33, PressFit=No, Sense=No, SMD=Yes, Socket=No